# KiCad board mt-choc.kicad_pcb
title: Mt. Choc; rev: v1.0; company: Author: Sonal Pinto; note: License: MIT; note: 65% Low Profile Choc Keyboard
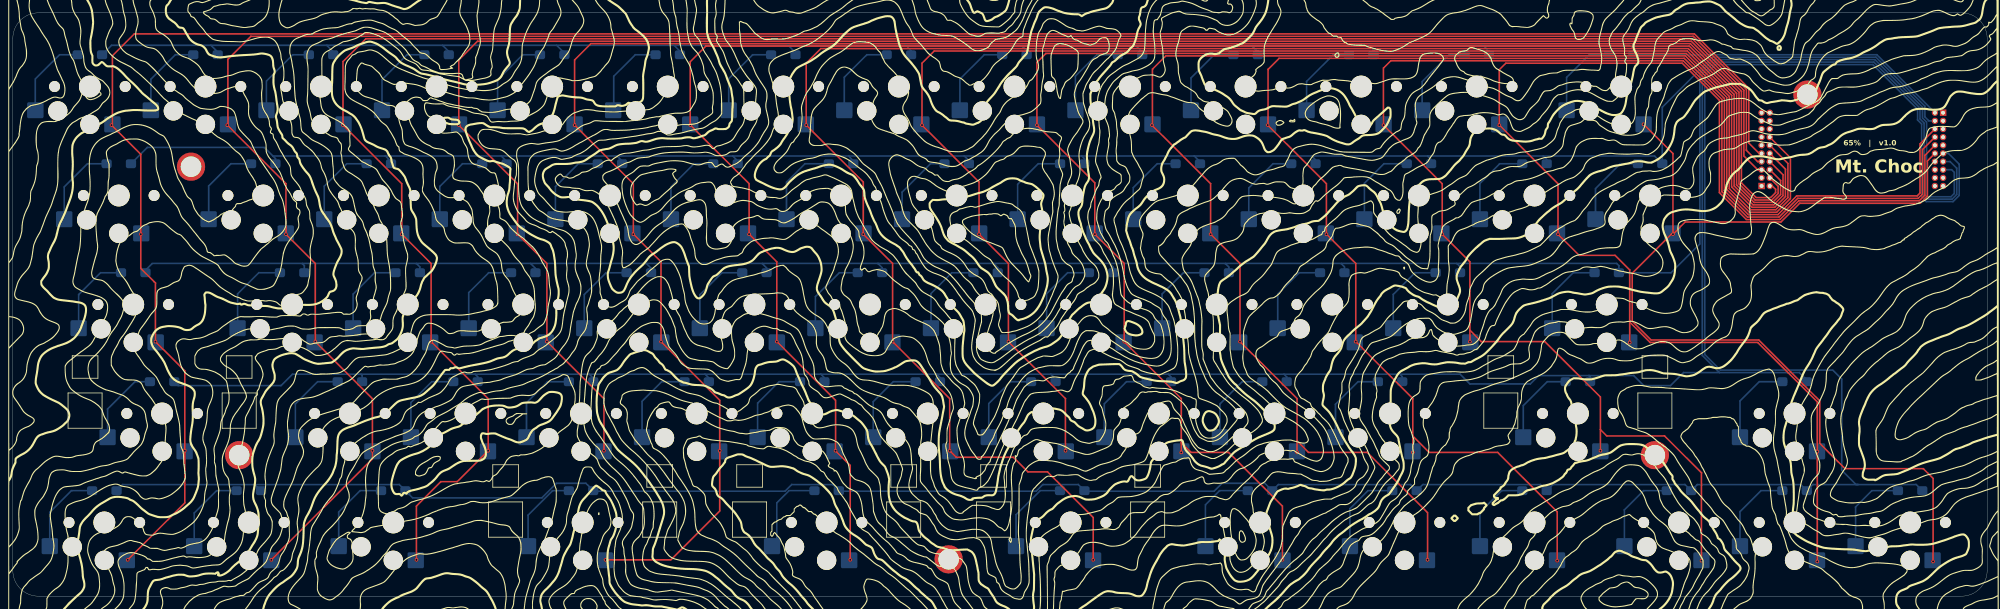
[diagram p0: board, top side]
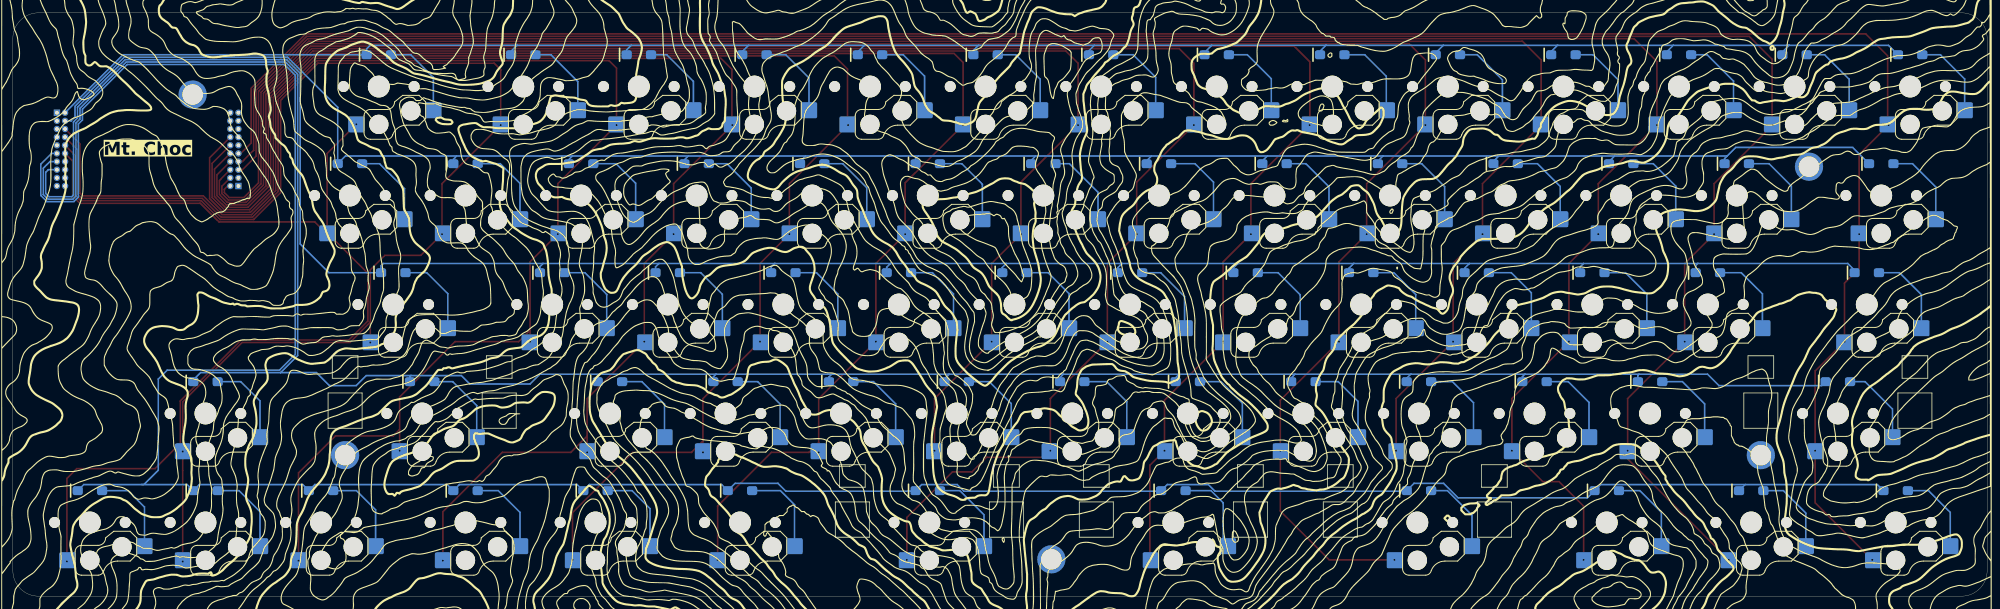
[diagram p1: board, bottom side, seen from below]

Outline 307.5 x 91 mm; copper layers: Front, Back. Coordinates in mm from the lower left corner of the outline.
Outline path: 0,87 arc(1.17,89.83) 4,91 303.5,91 arc(306.33,89.83) 307.5,87 307.5,4 arc(306.33,1.17) 303.5,0 4,0 arc(1.17,1.17) 0,4 0,87
Stack: Front 0.035mm / dielectric 1.51mm FR4 er 4.5 / Back 0.035mm

## Placement (name value [footprint] x y rotation side)
D1  D  [D_SOD123]  12 84.46 180 top
D2  D  [D_SOD123]  16.5 67.46 180 top
D3  D  [D_SOD123]  18.75 50.46 180 top
D4  D  [D_SOD123]  23.25 33.46 180 top
D5  D  [D_SOD123]  14.25 16.46 180 top
D6  D  [D_SOD123]  30 84.46 180 top
D7  D  [D_SOD123]  39 67.46 180 top
D8  D  [D_SOD123]  43.5 50.46 180 top
D9  D  [D_SOD123]  52.5 33.46 180 top
D10  D  [D_SOD123]  36.75 16.46 180 top
D11  D  [D_SOD123]  48 84.46 180 top
D12  D  [D_SOD123]  57 67.46 180 top
D13  D  [D_SOD123]  61.5 50.46 180 top
D14  D  [D_SOD123]  70.5 33.46 180 top
D15  D  [D_SOD123]  59.25 16.46 180 top
D16  D  [D_SOD123]  66 84.46 180 top
D17  D  [D_SOD123]  75 67.46 180 top
D18  D  [D_SOD123]  79.5 50.46 180 top
D19  D  [D_SOD123]  88.5 33.46 180 top
D20  D  [D_SOD123]  84 84.46 180 top
D21  D  [D_SOD123]  93 67.46 180 top
D22  D  [D_SOD123]  97.5 50.46 180 top
D23  D  [D_SOD123]  106.5 33.46 180 top
D24  D  [D_SOD123]  88.5 16.46 180 top
D25  D  [D_SOD123]  102 84.46 180 top
D26  D  [D_SOD123]  111 67.46 180 top
D27  D  [D_SOD123]  115.5 50.46 180 top
D28  D  [D_SOD123]  124.5 33.46 180 top
D29  D  [D_SOD123]  126.75 16.46 180 top
D30  D  [D_SOD123]  165 16.46 180 top
D31  D  [D_SOD123]  120 84.46 180 top
D32  D  [D_SOD123]  129 67.46 180 top
D33  D  [D_SOD123]  133.5 50.46 180 top
D34  D  [D_SOD123]  142.5 33.46 180 top
D35  D  [D_SOD123]  138 84.46 180 top
D36  D  [D_SOD123]  147 67.46 180 top
D37  D  [D_SOD123]  151.5 50.46 180 top
D38  D  [D_SOD123]  160.5 33.46 180 top
D39  D  [D_SOD123]  156 84.46 180 top
D40  D  [D_SOD123]  165 67.46 180 top
D41  D  [D_SOD123]  169.5 50.46 180 top
D42  D  [D_SOD123]  178.5 33.46 180 top
D43  D  [D_SOD123]  194.25 16.46 180 top
D44  D  [D_SOD123]  174 84.46 180 top
D45  D  [D_SOD123]  183 67.46 180 top
D46  D  [D_SOD123]  187.5 50.46 180 top
D47  D  [D_SOD123]  196.5 33.46 180 top
D48  D  [D_SOD123]  216.75 16.46 180 top
D49  D  [D_SOD123]  192 84.46 180 top
D50  D  [D_SOD123]  201 67.46 180 top
D51  D  [D_SOD123]  205.5 50.46 180 top
D52  D  [D_SOD123]  214.5 33.46 180 top
D53  D  [D_SOD123]  237 16.46 180 top
D54  D  [D_SOD123]  210 84.46 180 top
D55  D  [D_SOD123]  219 67.46 180 top
D56  D  [D_SOD123]  223.5 50.46 180 top
D57  D  [D_SOD123]  243.75 33.46 180 top
D58  D  [D_SOD123]  259.5 16.46 180 top
D59  D  [D_SOD123]  228 84.46 180 top
D60  D  [D_SOD123]  237 67.46 180 top
D61  D  [D_SOD123]  248.25 50.46 180 top
D62  D  [D_SOD123]  277.5 33.46 180 top
D63  D  [D_SOD123]  277.5 16.46 180 top
D64  D  [D_SOD123]  250.5 84.46 180 top
D65  D  [D_SOD123]  255 67.46 180 top
D66  D  [D_SOD123]  295.5 16.46 180 top
G***  LOGO  [mt-blanc]  154.3 59.01 0 top
G***#2  LOGO  [mt-blanc]  154.3 59.01 180 bottom
H1  MountingHole  [m2_standoff]  27.75 67 0 top
H2  MountingHole  [m2_standoff]  35.25 22 0 top
H3  MountingHole  [m2_standoff]  145.75 5.75 0 top
H4  MountingHole  [m2_standoff]  279.5 78.25 0 top
H5  MountingHole  [m2_standoff]  255.75 22 0 top
SW1  SW_Push  [Choc-1u]  12 79.5 0 top
SW2  SW_Push  [Choc-1.5u]  16.5 62.5 0 top
SW3  SW_Push  [Choc-1.75u]  18.75 45.5 0 top
SW4  SW_Push  [Choc-2.25u]  23.25 28.5 0 top
SW5  SW_Push  [Choc-1.25u]  14.25 11.5 0 top
SW6  SW_Push  [Choc-1u]  30 79.5 0 top
SW7  SW_Push  [Choc-1u]  39 62.5 0 top
SW8  SW_Push  [Choc-1u]  43.5 45.5 0 top
SW9  SW_Push  [Choc-1u]  52.5 28.5 0 top
SW10  SW_Push  [Choc-1.25u]  36.75 11.5 0 top
SW11  SW_Push  [Choc-1u]  48 79.5 0 top
SW12  SW_Push  [Choc-1u]  57 62.5 0 top
SW13  SW_Push  [Choc-1u]  61.5 45.5 0 top
SW14  SW_Push  [Choc-1u]  70.5 28.5 0 top
SW15  SW_Push  [Choc-1.25u]  59.25 11.5 0 top
SW16  SW_Push  [Choc-1u]  66 79.5 0 top
SW17  SW_Push  [Choc-1u]  75 62.5 0 top
SW18  SW_Push  [Choc-1u]  79.5 45.5 0 top
SW19  SW_Push  [Choc-1u]  88.5 28.5 0 top
SW20  SW_Push  [Choc-1u]  84 79.5 0 top
SW21  SW_Push  [Choc-1u]  93 62.5 0 top
SW22  SW_Push  [Choc-1u]  97.5 45.5 0 top
SW23  SW_Push  [Choc-1u]  106.5 28.5 0 top
SW24  SW_Push_Combo  [Choc-6.25u-split]  126.75 11.5 0 top
SW25  SW_Push  [Choc-1u]  102 79.5 0 top
SW26  SW_Push  [Choc-1u]  111 62.5 0 top
SW27  SW_Push  [Choc-1u]  115.5 45.5 0 top
SW28  SW_Push  [Choc-1u]  124.5 28.5 0 top
SW29  SW_Push  [Choc-1u]  120 79.5 0 top
SW30  SW_Push  [Choc-1u]  129 62.5 0 top
SW31  SW_Push  [Choc-1u]  133.5 45.5 0 top
SW32  SW_Push  [Choc-1u]  142.5 28.5 0 top
SW33  SW_Push  [Choc-1u]  138 79.5 0 top
SW34  SW_Push  [Choc-1u]  147 62.5 0 top
SW35  SW_Push  [Choc-1u]  151.5 45.5 0 top
SW36  SW_Push  [Choc-1u]  160.5 28.5 0 top
SW37  SW_Push  [Choc-1u]  156 79.5 0 top
SW38  SW_Push  [Choc-1u]  165 62.5 0 top
SW39  SW_Push  [Choc-1u]  169.5 45.5 0 top
SW40  SW_Push  [Choc-1u]  178.5 28.5 0 top
SW41  SW_Push  [Choc-1.25u]  194.25 11.5 0 top
SW42  SW_Push  [Choc-1u]  174 79.5 0 top
SW43  SW_Push  [Choc-1u]  183 62.5 0 top
SW44  SW_Push  [Choc-1u]  187.5 45.5 0 top
SW45  SW_Push  [Choc-1u]  196.5 28.5 0 top
SW46  SW_Push  [Choc-1.25u]  216.75 11.5 0 top
SW47  SW_Push  [Choc-1u]  192 79.5 0 top
SW48  SW_Push  [Choc-1u]  201 62.5 0 top
SW49  SW_Push  [Choc-1u]  205.5 45.5 0 top
SW50  SW_Push  [Choc-1u]  214.5 28.5 0 top
SW51  SW_Push  [Choc-1u]  237 11.5 0 top
SW52  SW_Push  [Choc-1u]  210 79.5 0 top
SW53  SW_Push  [Choc-1u]  219 62.5 0 top
SW54  SW_Push  [Choc-1u]  223.5 45.5 0 top
SW55  SW_Push  [Choc-2.25u]  243.75 28.5 0 top
SW56  SW_Push  [Choc-1u]  259.5 11.5 0 top
SW57  SW_Push  [Choc-1u]  228 79.5 0 top
SW58  SW_Push  [Choc-1u]  237 62.5 0 top
SW59  SW_Push  [Choc-1.75u]  248.25 45.5 0 top
SW60  SW_Push  [Choc-1u]  277.5 28.5 0 top
SW61  SW_Push  [Choc-1u]  277.5 11.5 0 top
SW62  SW_Push  [Choc-1.5u]  250.5 79.5 0 top
SW63  SW_Push  [Choc-1u]  255 62.5 0 top
SW64  SW_Push  [Choc-1u]  295.5 11.5 0 top
U1  -  [RP2040_LCD_1p28]  280.1 91 0 top

## Library data of the parts
D1-D66 = -: Description: Diode; Sim.Pins: 1=K 2=A
H1-H5 = -: Description: Mounting Hole without connection
SW1-SW23 SW25-SW64 = -: Description: Push button switch, generic, two pins
U1 = -: Description: RP2040 microcontroller with 1.28" display

## Footprints (pads in the part's own frame, mm; a bottom-side part is the same pattern mirrored in y, then rotated)
Choc-1.5u
  round 1.7 hole 1.7 unplated: (-5.5,0) (5.5,0)
  round 3 hole 3 unplated: (-5,-3.8) (0,-5.9)
  round 3.4 hole 3.4 unplated: (0,0)
  rrect 2.55x2.5 smd far side: 1(-8.5,-3.7) 2(3.5,-5.9)
Choc-1.25u
  round 1.7 hole 1.7 unplated: (-5.5,0) (5.5,0)
  round 3 hole 3 unplated: (-5,-3.8) (0,-5.9)
  round 3.4 hole 3.4 unplated: (0,0)
  rrect 2.55x2.5 smd far side: 1(-8.5,-3.7) 2(3.5,-5.9)
Choc-1.75u
  round 1.7 hole 1.7 unplated: (-5.5,0) (5.5,0)
  round 3 hole 3 unplated: (-5,-3.8) (0,-5.9)
  round 3.4 hole 3.4 unplated: (0,0)
  rrect 2.55x2.5 smd far side: 1(-8.5,-3.7) 2(3.5,-5.9)
Choc-1u
  round 1.7 hole 1.7 unplated: (-5.5,0) (5.5,0)
  round 3 hole 3 unplated: (-5,-3.8) (0,-5.9)
  round 3.4 hole 3.4 unplated: (0,0)
  rrect 2.55x2.5 smd far side: 1(-8.5,-3.7) 2(3.5,-5.9)
Choc-2.25u
  round 1.7 hole 1.7 unplated: (-5.5,0) (5.5,0)
  round 3 hole 3 unplated: (-5,-3.8) (0,-5.9)
  round 3.4 hole 3.4 unplated: (0,0)
  rrect 2.55x2.5 smd far side: 1(-8.5,-3.7) 2(3.5,-5.9)
Choc-6.25u-split
  round 1.7 hole 1.7 unplated: (-43.5,0) (-32.5,0) (-5.5,0) (5.5,0) (32.5,0) (43.5,0)
  round 3 hole 3 unplated: (-43,-3.8) (-38,-5.9) (-5,-3.8) (0,-5.9) (33,-3.8) (38,-5.9)
  round 3.4 hole 3.4 unplated: (-38,0) (0,0) (38,0)
  rrect 2.55x2.5 smd far side: 1(-46.5,-3.7) 2(-34.5,-5.9) 3(-8.5,-3.7) 4(3.5,-5.9) 5(29.5,-3.7) 6(41.5,-5.9)
D_SOD123
  rrect 1.6x1.4 smd far side: 1(-1.9,0) 2(1.9,0)
m2_standoff
  round 4.4 hole 3.2: 1(0,0)
RP2040_LCD_1p28
  rect 1x1 hole 0.6: 1(20.54,-15.583) 21(-7.73,-27.013)
  round 1 hole 0.6: 2(19.27,-15.583) 3(20.54,-16.853) 4(19.27,-16.853) 5(20.54,-18.123) 6(19.27,-18.123) 7(20.54,-19.393) 8(19.27,-19.393) 9(20.54,-20.663) 10(19.27,-20.663) 11(20.54,-21.933) 12(19.27,-21.933) 13(20.54,-23.203) 14(19.27,-23.203) 15(20.54,-24.473) 16(19.27,-24.473) 17(20.54,-25.743) 18(19.27,-25.743) 19(20.54,-27.013) 20(19.27,-27.013) 22(-6.46,-27.013) 23(-7.73,-25.743) 24(-6.46,-25.743) 25(-7.73,-24.473) 26(-6.46,-24.473) 27(-7.73,-23.203) 28(-6.46,-23.203) 29(-7.73,-21.933) 30(-6.46,-21.933) 31(-7.73,-20.663) 32(-6.46,-20.663) 33(-7.73,-19.393) 34(-6.46,-19.393) 35(-7.73,-18.123) 36(-6.46,-18.123) 37(-7.73,-16.853) 38(-6.46,-16.853) 39(-7.73,-15.583) 40(-6.46,-15.583)

## Nets
COL1: SW1.2 SW2.2 SW3.2 SW4.2 SW5.2 U1.29
COL2: SW6.2 SW7.2 SW8.2 SW9.2 SW10.2 U1.27
COL3: SW11.2 SW12.2 SW13.2 SW14.2 SW15.2 U1.25
COL4: SW16.2 SW17.2 SW18.2 SW19.2 U1.22
COL5: SW20.2 SW21.2 SW22.2 SW23.2 SW24.2 U1.24
COL6: SW24.4 SW25.2 SW26.2 SW27.2 SW28.2 U1.26
COL7: SW24.6 SW29.2 SW30.2 SW31.2 SW32.2 U1.28
COL8: SW33.2 SW34.2 SW35.2 SW36.2 U1.30
COL9: SW37.2 SW38.2 SW39.2 SW40.2 SW41.2 U1.32
COL10: SW42.2 SW43.2 SW44.2 SW45.2 SW46.2 U1.34
COL11: SW47.2 SW48.2 SW49.2 SW50.2 SW51.2 U1.6
COL12: SW52.2 SW53.2 SW54.2 SW55.2 SW56.2 U1.8
COL13: SW57.2 SW58.2 SW59.2 SW60.2 SW61.2 U1.10
COL14: SW62.2 SW63.2 SW64.2 U1.12
ROW1: D1.1 D6.1 D11.1 D16.1 D20.1 D25.1 D31.1 D35.1 D39.1 D44.1 D49.1 D54.1 D59.1 D64.1 U1.2
ROW2: D2.1 D7.1 D12.1 D17.1 D21.1 D26.1 D32.1 D36.1 D40.1 D45.1 D50.1 D55.1 D60.1 D65.1 U1.4
ROW3: D3.1 D8.1 D13.1 D18.1 D22.1 D27.1 D33.1 D37.1 D41.1 D46.1 D51.1 D56.1 D61.1 U1.15
ROW4: D4.1 D9.1 D14.1 D19.1 D23.1 D28.1 D34.1 D38.1 D42.1 D47.1 D52.1 D57.1 D62.1 U1.13
ROW5: D5.1 D10.1 D15.1 D24.1 D29.1 D30.1 D43.1 D48.1 D53.1 D58.1 D63.1 D66.1 U1.11
Net-(D1-A): D1.2 SW1.1
Net-(D2-A): D2.2 SW2.1
Net-(D3-A): D3.2 SW3.1
Net-(D4-A): D4.2 SW4.1
Net-(D5-A): D5.2 SW5.1
Net-(D6-A): D6.2 SW6.1
Net-(D7-A): D7.2 SW7.1
Net-(D8-A): D8.2 SW8.1
Net-(D9-A): D9.2 SW9.1
Net-(D10-A): D10.2 SW10.1
Net-(D11-A): D11.2 SW11.1
Net-(D12-A): D12.2 SW12.1
Net-(D13-A): D13.2 SW13.1
Net-(D14-A): D14.2 SW14.1
Net-(D15-A): D15.2 SW15.1
Net-(D16-A): D16.2 SW16.1
Net-(D17-A): D17.2 SW17.1
Net-(D18-A): D18.2 SW18.1
Net-(D19-A): D19.2 SW19.1
Net-(D20-A): D20.2 SW20.1
Net-(D21-A): D21.2 SW21.1
Net-(D22-A): D22.2 SW22.1
Net-(D23-A): D23.2 SW23.1
Net-(D24-A): D24.2 SW24.1
Net-(D25-A): D25.2 SW25.1
Net-(D26-A): D26.2 SW26.1
Net-(D27-A): D27.2 SW27.1
Net-(D28-A): D28.2 SW28.1
Net-(D29-A): D29.2 SW24.3
Net-(D30-A): D30.2 SW24.5
Net-(D31-A): D31.2 SW29.1
Net-(D32-A): D32.2 SW30.1
Net-(D33-A): D33.2 SW31.1
Net-(D34-A): D34.2 SW32.1
Net-(D35-A): D35.2 SW33.1
Net-(D36-A): D36.2 SW34.1
Net-(D37-A): D37.2 SW35.1
Net-(D38-A): D38.2 SW36.1
Net-(D39-A): D39.2 SW37.1
Net-(D40-A): D40.2 SW38.1
Net-(D41-A): D41.2 SW39.1
Net-(D42-A): D42.2 SW40.1
Net-(D43-A): D43.2 SW41.1
Net-(D44-A): D44.2 SW42.1
Net-(D45-A): D45.2 SW43.1
Net-(D46-A): D46.2 SW44.1
Net-(D47-A): D47.2 SW45.1
Net-(D48-A): D48.2 SW46.1
Net-(D49-A): D49.2 SW47.1
Net-(D50-A): D50.2 SW48.1
Net-(D51-A): D51.2 SW49.1
Net-(D52-A): D52.2 SW50.1
Net-(D53-A): D53.2 SW51.1
Net-(D54-A): D54.2 SW52.1
Net-(D55-A): D55.2 SW53.1
Net-(D56-A): D56.2 SW54.1
Net-(D57-A): D57.2 SW55.1
Net-(D58-A): D58.2 SW56.1
Net-(D59-A): D59.2 SW57.1
Net-(D60-A): D60.2 SW58.1
Net-(D61-A): D61.2 SW59.1
Net-(D62-A): D62.2 SW60.1
Net-(D63-A): D63.2 SW61.1
Net-(D64-A): D64.2 SW62.1
Net-(D65-A): D65.2 SW63.1
Net-(D66-A): D66.2 SW64.1

Pads without a net: H1 1; H2 1; H3 1; H4 1; H5 1; U1 1 3 5 7 9 14 16 17 18 19 20 21 23 31 33 35 36 37 38 39 40

## Via types
v1: diameter 0.6, hole 0.3, Front to Back, 66 vias

## Routing (per net, layer and track width the routed paths; a pad name or vN(x,y) marks a point on that pad's centre or on a via; arc(x,y) is an arc through that point)
COL1: length 357.9
  Front w0.254: U1.29 272,69.07 270.37,70.69 270.37,79.23 261.9,87.71 18.91,87.71 15.5,84.3 SW1.2 ; v1(17.9,5.67) 26.79,14.56 v1(26.79,22.69) 26.79,35.13 v1(22.22,39.71) 22.22,48.85 19.93,51.14 v1(19.93,56.47) 19.93,68.92 v1(15.36,73.49)
COL2: length 347.9
  Front w0.254: U1.27 271.75,67.8 269.99,69.55 269.99,79.08 261.74,87.33 37.08,87.33 33.5,83.76 SW6.2 ; v1(40.25,5.67) 56,21.42 v1(56,22.69) 56,30.82 v1(47.11,39.71) 47.11,51.9 v1(42.54,56.47) 42.54,64.34 v1(33.39,73.49)
COL3: length 330.1
  Front w0.254: v1(62.86,5.67) 62.86,14.05 66.67,17.86 69.21,17.86 v1(74.03,22.69) 74.03,30.82 v1(65.14,39.71) 65.14,51.9 v1(60.57,56.47) 60.57,64.34 v1(51.43,73.49) 51.43,83.39 54.98,86.95 261.58,86.95 269.61,78.92 269.61,68.66 271.75,66.53 U1.25
COL4: length 297.1
  Front w0.254: v1(92.07,22.69) 92.07,30.82 v1(83.18,39.71) 83.18,51.9 v1(78.6,56.47) 78.6,64.34 v1(69.46,73.49) 69.46,83.65 72.38,86.57 261.42,86.57 269.23,78.76 269.23,64.47 271.52,62.19 273.78,62.19 274.55,62.96 274.55,63.47 274.03,63.99 U1.22
COL5: length 311
  Front w0.254: v1(92.32,5.67) 102.48,5.67 110.1,13.29 v1(110.1,22.69) 110.1,30.56 v1(100.96,39.71) 100.96,52.15 v1(96.64,56.47) 96.64,64.34 v1(87.49,73.49) 87.49,83.65 90.03,86.19 261.26,86.19 268.85,78.6 268.85,64.31 271.36,61.8 273.94,61.8 274.95,62.81 274.95,63.95 U1.24
COL6: length 282.3
  Front w0.254: U1.26 275.33,64.84 275.33,62.65 274.1,61.42 271.2,61.42 268.47,64.16 268.47,78.44 261.11,85.81 107.94,85.81 105.5,83.37 SW25.2 ; v1(105.53,73.49) 114.67,64.34 v1(114.67,56.47) 118.99,52.15 v1(118.99,39.71) 128.13,30.56 v1(128.13,22.69) 130.42,20.4 v1(130.42,5.67)
COL7: length 281.3
  Front w0.254: v1(168.27,5.67) 168.27,12.27 161.15,19.39 158.11,19.39 155.82,21.67 146.93,21.67 v1(145.91,22.69) 145.91,30.82 v1(137.02,39.71) 137.02,51.9 v1(132.45,56.47) 132.45,64.6 v1(123.56,73.49) 123.56,83.14 125.85,85.43 260.95,85.43 268.09,78.29 268.09,64 271.04,61.04 274.25,61.04 275.71,62.5 275.71,65.73 U1.28
COL8: length 231.9
  Front w0.254: v1(163.95,22.69) 163.95,30.82 v1(155.06,39.71) 155.06,51.9 v1(150.49,56.47) 150.49,64.6 v1(141.6,73.49) 141.6,83.14 143.5,85.05 260.79,85.05 267.71,78.13 267.71,63.84 270.89,60.66 274.41,60.66 276.09,62.34 276.09,66.61 U1.30
COL9: length 244.5
  Front w0.254: v1(197.73,5.67) 197.73,14.05 189.35,22.43 183.51,22.43 181.98,23.96 ; 181.98,23.96 181.98,30.82 v1(173.09,39.71) 173.09,51.9 v1(168.52,56.47) 168.52,64.47 v1(159.5,73.49) ; 181.98,23.96 v1(181.98,22.43) ; SW37.2 159.5,83.26 160.9,84.66 260.63,84.66 267.33,77.97 267.33,63.58 270.63,60.28 274.57,60.28 276.47,62.18 276.47,67.5 U1.32
COL10: length 231.9
  Front w0.254: v1(200.02,22.43) 200.02,24.21 ; 200.02,24.21 201.79,22.43 210.94,22.43 220.34,13.04 v1(220.34,5.67) ; 200.02,24.21 200.02,30.82 v1(191.13,39.71) 191.13,51.9 v1(186.55,56.47) 186.55,64.34 v1(177.41,73.49) ; U1.34 276.85,68.39 276.85,62.02 274.73,59.9 270.47,59.9 266.94,63.42 266.94,77.81 260.48,84.28 179.57,84.28 177.5,82.21 SW42.2
COL11: length 237.1
  Front w0.254: v1(195.44,73.49) 204.59,64.34 v1(204.59,56.47) 209.16,51.9 v1(209.16,39.71) 218.05,30.82 218.05,24.97 ; 218.05,24.97 v1(218.05,22.43) ; 218.05,24.97 220.59,22.43 231.26,22.43 240.53,13.16 v1(240.53,5.54) ; SW47.2 195.5,82.18 197.22,83.9 260.32,83.9 266.56,77.66 266.56,63.27 270.31,59.52 274.92,59.52 277.84,62.44 296.6,62.44 297.04,62.88 297.04,70.55 U1.6
COL12: length 227.6
  Front w0.254: 247.26,25.99 248.25,25 257.25,25 263.01,19.24 v1(263.01,5.54) ; 247.26,25.99 247.26,31.07 238.62,39.71 228.72,39.71 226.94,41.48 ; 247.26,25.99 v1(247.26,22.69) ; 226.94,41.48 226.94,52.15 v1(222.62,56.47) 222.62,64.34 v1(213.48,73.49) 213.48,82.38 214.62,83.52 260.16,83.52 266.18,77.5 266.18,63.11 270.15,59.14 275.07,59.14 277.99,62.06 296.76,62.06 297.43,62.72 297.43,69.67 U1.8 ; 226.94,41.48 v1(226.94,39.71)
COL13: length 208.7
  Front w0.254: v1(281.04,5.42) v1(281.04,22.56) 281.04,30.31 271.77,39.58 255.01,39.58 251.83,42.75 ; 251.83,42.75 251.83,50.88 249.55,53.17 243.96,53.17 v1(240.66,56.47) 240.66,64.34 v1(231.51,73.49) 231.51,82.12 232.53,83.14 260,83.14 265.8,77.34 265.8,62.95 270,58.76 275.23,58.76 278.15,61.68 296.92,61.68 297.81,62.57 297.81,68.78 U1.10 ; 251.83,42.75 v1(251.83,39.58)
COL14: length 158.5
  Front w0.254: v1(299.08,5.42) 299.08,18.37 297.55,19.89 285.36,19.89 281.42,23.83 281.42,30.47 271.93,39.96 255.16,39.96 252.21,42.91 252.21,50.37 258.31,56.47 v1(258.56,56.47) ; U1.12 298.19,67.89 298.19,62.41 297.07,61.3 278.31,61.3 275.39,58.38 260.47,58.38 v1(258.56,56.47) ; v1(258.56,56.47) 258.56,69.04 v1(253.99,73.61)
ROW1: length 313.5
  Back w0.254: 102.99,85.93 103.9,85.02 D25.1 ; 102.99,85.93 84.7,85.93 ; 102.99,85.93 120.77,85.93 ; 192.9,85.93 211.19,85.93 ; 192.9,85.93 193.9,84.94 D49.1 ; 192.9,85.93 174.87,85.93 ; 211.19,85.93 228.97,85.93 ; 211.19,85.93 211.9,85.23 D54.1 ; D16.1 67.9,84.95 66.92,85.93 ; 228.97,85.93 229.9,85.01 D59.1 ; 228.97,85.93 251.83,85.93 252.4,85.37 D64.1 290.32,84.46 U1.2 ; 48.89,85.93 49.9,84.92 D11.1 ; 48.89,85.93 30.85,85.93 ; 48.89,85.93 66.92,85.93 ; D6.1 31.9,84.89 30.85,85.93 ; 30.85,85.93 15.38,85.93 D1.1 ; 66.92,85.93 84.7,85.93 ; 84.7,85.93 85.9,84.73 D20.1 ; D39.1 157.9,85.12 157.09,85.93 ; 157.09,85.93 174.87,85.93 ; 157.09,85.93 139.06,85.93 ; 174.87,85.93 175.9,84.9 D44.1 ; 120.77,85.93 121.9,84.8 D31.1 ; 120.77,85.93 139.06,85.93 ; 139.06,85.93 139.9,85.09 D35.1
ROW2: length 318
  Back w0.254: D32.1 130.9,67.93 130.17,68.66 ; D36.1 148.9,67.96 148.2,68.66 ; D7.1 40.9,68.27 40.5,68.66 ; 166.49,68.66 166.9,68.25 D40.1 ; 166.49,68.66 184.01,68.66 ; 166.49,68.66 148.2,68.66 ; 76.06,68.66 76.9,67.83 D17.1 ; 76.06,68.66 94.1,68.66 ; 76.06,68.66 58.03,68.66 ; D26.1 112.9,67.89 112.13,68.66 ; 58.03,68.66 58.9,67.79 D12.1 ; 58.03,68.66 40.5,68.66 ; 238.37,68.66 238.9,68.13 D60.1 ; 238.37,68.66 255.7,68.66 D65.1 256.9,76.27 264.71,84.08 290.17,84.08 297.81,76.44 297.81,74.76 298.42,74.15 U1.4 ; 238.37,68.66 220.34,68.66 ; 94.1,68.66 94.9,67.86 D21.1 ; 94.1,68.66 112.13,68.66 ; 130.17,68.66 112.13,68.66 ; 130.17,68.66 148.2,68.66 ; 184.01,68.66 202.3,68.66 ; 184.01,68.66 184.9,67.78 D45.1 ; 220.34,68.66 220.9,68.1 D55.1 ; 220.34,68.66 202.3,68.66 ; 40.5,68.66 39.17,70 20.94,70 D2.1 ; 202.3,68.66 202.9,68.06 D50.1
ROW3: length 353.6
  Back w0.254: D27.1 117.4,51.2 116.7,51.9 ; D41.1 171.4,51.3 170.81,51.9 ; 62.86,51.9 63.4,51.35 D13.1 ; 62.86,51.9 80.64,51.9 ; 62.86,51.9 45.08,51.9 ; D51.1 207.4,51.37 206.87,51.9 ; 80.64,51.9 81.4,51.13 D18.1 ; 80.64,51.9 98.67,51.9 ; 206.87,51.9 224.91,51.9 ; 206.87,51.9 188.84,51.9 ; 224.91,51.9 225.4,51.41 D56.1 ; 224.91,51.9 249.8,51.9 250.15,51.55 D61.1 258.27,50.46 262.75,54.95 262.75,81.59 264.87,83.7 290.01,83.7 297.43,76.28 297.43,74.6 298.06,73.97 298.06,62.57 298.31,62.31 301.87,62.31 302.38,62.82 302.38,66.12 301.97,66.53 U1.15 ; 134.74,51.9 135.4,51.24 D33.1 ; 134.74,51.9 152.77,51.9 ; 134.74,51.9 116.7,51.9 ; 170.81,51.9 188.84,51.9 ; 170.81,51.9 152.77,51.9 ; D3.1 20.65,50.84 21.71,51.9 45.08,51.9 ; 98.67,51.9 116.7,51.9 ; 98.67,51.9 99.4,51.17 D22.1 ; 152.77,51.9 153.4,51.27 D37.1 ; 188.84,51.9 189.4,51.34 D46.1 ; 45.08,51.9 45.4,51.57 D8.1
ROW4: length 384.9
  Back w0.254: D34.1 144.4,34.11 143.88,34.63 ; 245.48,34.41 245.65,34.24 D57.1 ; 245.48,34.41 252.45,34.41 254.02,32.85 258.18,32.85 260.21,34.88 265.8,34.88 ; 245.48,34.41 237.65,34.41 236.34,33.1 226.94,33.1 225.42,34.63 216.02,34.63 ; 89.78,34.63 90.4,34.01 D19.1 ; 89.78,34.63 72,34.63 ; 89.78,34.63 107.81,34.63 ; D14.1 72.4,34.23 72,34.63 ; 265.8,34.88 278.25,34.88 279.4,33.73 D62.1 ; 265.8,34.88 263.13,37.55 263.13,81.43 265.02,83.32 289.85,83.32 297.04,76.12 297.04,74.44 297.68,73.81 297.68,62.41 298.16,61.93 302.03,61.93 302.76,62.66 302.76,66.76 301.72,67.8 U1.13 ; 107.81,34.63 108.4,34.04 D23.1 ; 107.81,34.63 125.85,34.63 ; 54.22,34.63 43.55,34.63 41.77,32.85 25.76,32.85 D4.1 ; 54.22,34.63 72,34.63 ; 54.22,34.63 54.4,34.45 D9.1 ; 197.98,34.63 216.02,34.63 ; 197.98,34.63 198.4,34.21 D47.1 ; 197.98,34.63 179.95,34.63 ; 216.02,34.63 216.4,34.24 D52.1 ; 161.66,34.63 162.4,33.89 D38.1 ; 161.66,34.63 179.95,34.63 ; 161.66,34.63 143.88,34.63 ; 125.85,34.63 126.4,34.07 D28.1 ; 125.85,34.63 143.88,34.63 ; 179.95,34.63 180.4,34.18 D42.1
ROW5: length 441.5
  Back w0.254: 37.7,17.41 17.1,17.41 D5.1 ; 37.7,17.41 D10.1 ; 37.7,17.41 60.2,17.41 D15.1 62.27,15.34 82.4,15.34 84.67,17.61 89.25,17.61 D24.1 90.49,16.37 120.26,16.37 121.3,17.41 127.7,17.41 D29.1 128.74,16.37 159.38,16.37 160.42,17.41 165.95,17.41 D30.1 166.99,16.37 187.1,16.37 188.33,17.61 195,17.61 D43.1 197.1,17.41 217.7,17.41 D48.1 219.6,17.41 237.95,17.41 D53.1 239.85,17.41 260.45,17.41 D58.1 262.35,17.41 278.45,17.41 D63.1 280.35,17.41 287.39,17.41 ; D66.1 296.45,17.41 287.39,17.41 ; 287.39,17.41 287.08,17.41 284.85,19.64 284.85,33.86 283.45,35.26 265.96,35.26 263.52,37.7 263.52,81.27 265.18,82.93 289.69,82.93 296.66,75.96 296.66,74.28 297.3,73.65 297.3,62.25 298,61.55 302.19,61.55 303.14,62.5 303.14,67.39 301.47,69.07 U1.11
Net-(D1-A): length 13
  Back w0.254: D1.2 7.28,84.46 3.5,80.68 SW1.1
Net-(D2-A): length 13.1
  Back w0.254: D2.2 11.61,67.46 8,63.84 SW2.1
Net-(D3-A): length 13.3
  Back w0.254: SW3.1 10.25,47.04 13.66,50.46 D3.2
Net-(D4-A): length 12.8
  Back w0.254: SW4.1 14.75,29.19 19.02,33.46 D4.2
Net-(D5-A): length 13.3
  Back w0.254: SW5.1 5.75,13.08 9.13,16.46 D5.2
Net-(D6-A): length 13
  Back w0.254: SW6.1 21.5,80.65 25.31,84.46 D6.2
Net-(D7-A): length 13.2
  Back w0.254: D7.2 33.97,67.46 30.5,63.99 SW7.1
Net-(D8-A): length 13.3
  Back w0.254: SW8.1 35,47.16 38.3,50.46 D8.2
Net-(D9-A): length 13.2
  Back w0.254: D9.2 47.46,33.46 44,29.99 SW9.1
Net-(D10-A): length 13.2
  Back w0.254: SW10.1 28.25,12.97 31.73,16.46 D10.2
Net-(D11-A): length 12.9
  Back w0.254: SW11.1 39.5,80.36 43.6,84.46 D11.2
Net-(D12-A): length 13.2
  Back w0.254: SW12.1 48.5,63.96 52,67.46 D12.2
Net-(D13-A): length 13.3
  Back w0.254: SW13.1 53,47.12 56.34,50.46 D13.2
Net-(D14-A): length 13.4
  Back w0.254: SW14.1 62,30.21 65.24,33.46 D14.2
Net-(D15-A): length 13.3
  Back w0.254: D15.2 54.09,16.46 50.75,13.12 SW15.1
Net-(D16-A): length 13
  Back w0.254: SW16.1 57.5,80.58 61.38,84.46 D16.2
Net-(D17-A): length 13.2
  Back w0.254: SW17.1 66.5,63.92 70.03,67.46 D17.2
Net-(D18-A): length 13.4
  Back w0.254: SW18.1 71,47.34 74.12,50.46 D18.2
Net-(D19-A): length 13.3
  Back w0.254: D19.2 83.28,33.46 80,30.18 SW19.1
Net-(D20-A): length 13
  Back w0.254: SW20.1 75.5,80.54 79.41,84.46 D20.2
Net-(D21-A): length 13.2
  Back w0.254: SW21.1 84.5,63.89 88.07,67.46 D21.2
Net-(D22-A): length 13.3
  Back w0.254: SW22.1 89,47.05 92.4,50.46 D22.2
Net-(D23-A): length 13.5
  Back w0.254: D23.2 101.06,33.46 98,30.4 SW23.1
Net-(D24-A): length 12.8
  Back w0.254: D24.2 84.06,16.46 80.25,12.65 SW24.1
Net-(D25-A): length 13.2
  Back w0.254: D25.2 96.94,84.46 93.59,81.11 93.59,75.89 SW25.1
Net-(D26-A): length 13.1
  Back w0.254: D26.2 106.1,67.46 102.5,63.86 SW26.1
Net-(D27-A): length 13.2
  Back w0.254: SW27.1 107,47.02 110.44,50.46 D27.2
Net-(D28-A): length 13.3
  Back w0.254: SW28.1 116,30.11 119.35,33.46 D28.2
Net-(D29-A): length 13.7
  Back w0.254: SW24.3 118.99,8.54 118.99,14.56 120.89,16.46 D29.2
Net-(D30-A): length 13.3
  Back w0.254: SW24.5 156.25,12.7 160,16.46 D30.2
Net-(D31-A): length 13.1
  Back w0.254: D31.2 115.23,84.46 111.5,80.73 SW29.1
Net-(D32-A): length 13.6
  Back w0.254: SW30.1 120.5,64.58 123.37,67.46 D32.2
Net-(D33-A): length 13.1
  Back w0.254: D33.2 128.73,50.46 125,46.73 SW31.1
Net-(D34-A): length 13.4
  Back w0.254: SW32.1 134,30.33 137.13,33.46 D34.2
Net-(D35-A): length 13.2
  Back w0.254: SW33.1 129.5,80.95 133.01,84.46 D35.2
Net-(D36-A): length 12.7
  Back w0.254: SW34.1 138.5,63.03 142.93,67.46 D36.2
Net-(D37-A): length 13.4
  Back w0.254: D37.2 146.25,50.46 143,47.21 SW35.1
Net-(D38-A): length 13.3
  Back w0.254: D38.2 155.41,33.46 152,30.04 SW36.1
Net-(D39-A): length 13
  Back w0.254: D39.2 151.3,84.46 147.5,80.66 SW37.1
Net-(D40-A): length 13.4
  Back w0.254: SW38.1 156.5,64.26 159.7,67.46 D40.2
Net-(D41-A): length 13.3
  Back w0.254: SW39.1 161,47.17 164.29,50.46 D41.2
Net-(D42-A): length 13.2
  Back w0.254: SW40.1 170,30.01 173.45,33.46 D42.2
Net-(D43-A): length 14
  Back w0.254: D43.2 187.94,16.46 185.75,14.26 SW41.1
Net-(D44-A): length 13.3
  Back w0.254: D44.2 168.82,84.46 165.5,81.14 SW42.1
Net-(D45-A): length 13.1
  Back w0.254: D45.2 178.24,67.46 174.5,63.72 SW43.1
Net-(D46-A): length 13.3
  Back w0.254: SW44.1 179,47.14 182.32,50.46 D46.2
Net-(D47-A): length 13.2
  Back w0.254: D47.2 191.48,33.46 188,29.98 SW45.1
Net-(D48-A): length 13.6
  Back w0.254: D48.2 211.06,16.46 208.25,13.65 SW46.1
Net-(D49-A): length 13.1
  Back w0.254: SW47.1 183.5,80.85 187.11,84.46 D49.2
Net-(D50-A): length 13
  Back w0.254: SW48.1 192.5,63.69 196.27,67.46 D50.2
Net-(D51-A): length 13.3
  Back w0.254: D51.2 200.35,50.46 197,47.1 SW49.1
Net-(D52-A): length 13.2
  Back w0.254: D52.2 209.52,33.46 206,29.94 SW50.1
Net-(D53-A): length 13.3
  Back w0.254: D53.2 231.89,16.46 228.5,13.07 SW51.1
Net-(D54-A): length 12.8
  Back w0.254: D54.2 205.65,84.46 201.5,80.31 SW52.1
Net-(D55-A): length 13.5
  Back w0.254: D55.2 213.54,67.46 210.5,64.41 SW53.1
Net-(D56-A): length 13.3
  Back w0.254: D56.2 218.39,50.46 215,47.07 SW54.1
Net-(D57-A): length 13.1
  Back w0.254: SW55.1 235.25,29.73 238.98,33.46 D57.2
Net-(D58-A): length 13.5
  Back w0.254: D58.2 253.98,16.46 251,13.47 SW56.1
Net-(D59-A): length 12.8
  Back w0.254: SW57.1 219.5,80.27 223.69,84.46 D59.2
Net-(D60-A): length 13.5
  Back w0.254: D60.2 231.58,67.46 228.5,64.38 SW58.1
Net-(D61-A): length 13.3
  Back w0.254: D61.2 243.03,50.46 239.75,47.18 SW59.1
Net-(D62-A): length 13.5
  Back w0.254: SW60.1 269,30.46 272,33.46 D62.2
Net-(D63-A): length 13.3
  Back w0.254: SW61.1 269,13.19 272.27,16.46 D63.2
Net-(D64-A): length 13.2
  Back w0.254: SW62.1 242,80.93 245.53,84.46 D64.2
Net-(D65-A): length 13
  Back w0.254: SW63.1 246.5,63.58 250.37,67.46 D65.2
Net-(D66-A): length 13.8
  Back w0.254: SW64.1 287,13.91 289.54,16.46 D66.2

## Copper pours and planes (outline as drawn; the poured copper is in the pictures)
(no net) on Front, Back: 311.01,93.05 311.01,-2.97 -2.42,-2.97 -2.42,93.05

## Text on the board
B.Silkscreen: Mt. Choc
F.Silkscreen: Mt. Choc | 65%   |   v1.0
